# KiCad board JumperlessV5r8.kicad_pcb (continued)
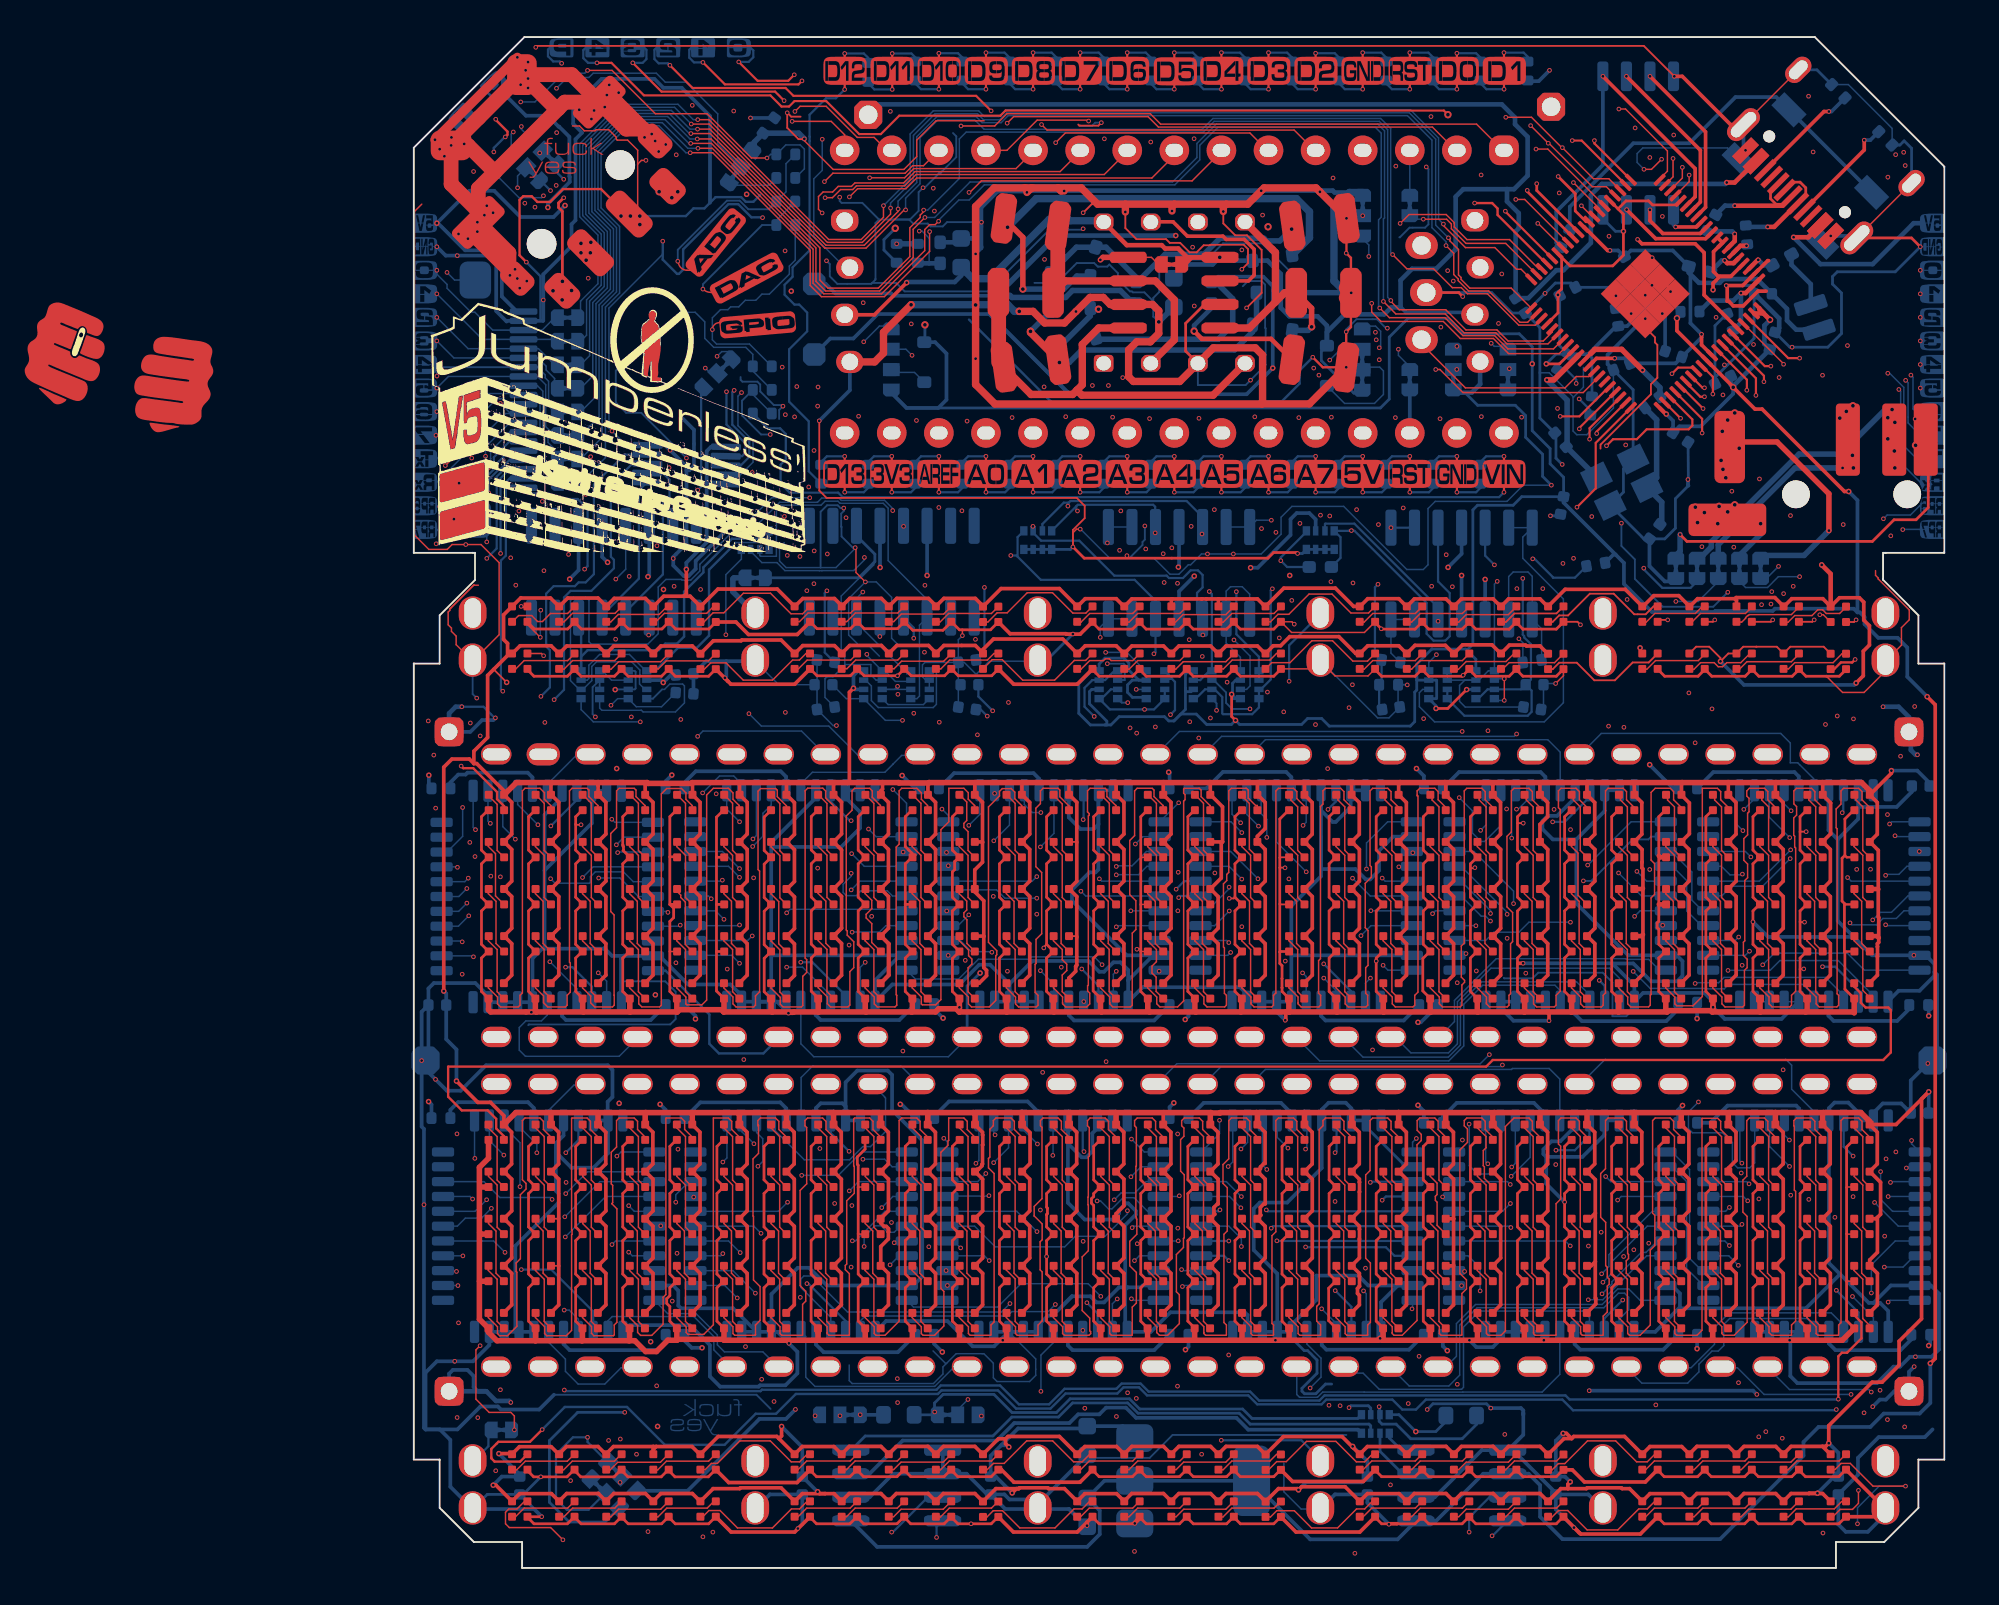
[diagram p0: board, top side]
## Routing (per net, layer and track width the routed paths; a pad name or vN(x,y) marks a point on that pad's centre or on a via; arc(x,y) is an arc through that point) (continued)
(no net):
  vias: v1(21.8,63.68)
1: length 17.8
  In2.Cu w0.4: 4.45,28.58 5.08,29.21 5.08,37.81 4.13,38.75 v1(4.13,40.15) 4.45,40.46 4.45,43.82
  Bottom w0.08: A2.35 4,40.28 v1(4.13,40.15)
2: length 33
  In2.Cu w0.15: 6.99,43.82 6.99,40.36 v1(6.7,40.07) 6.99,39.78 6.99,28.58
  In2.Cu w0.4: 6.99,28.58 6.93,28.63 6.93,43.76 6.99,43.82
  Bottom w0.08: v1(6.7,40.07) 5.6,41.17 A2.37
3: length 18.6
  In2.Cu w0.4: 9.53,43.82 9.53,28.58
  Bottom w0.08: A2.39 7.2,42.26 8.76,43.82 9.53,43.82
4: length 25.9
  In2.Cu w0.4: 12.07,43.82 12.07,28.58
  Bottom w0.08: A2.17 7.2,29.81 6.88,29.5 6.05,29.5 5.69,29.14 5.69,27.92 6.02,27.59 11.08,27.59 12.07,28.58
5: length 37.9
  In1.Cu w0.08: v1(14.14,32.63) 14.08,32.69 v1(7.34,32.69)
  In2.Cu w0.15: 14.61,28.58 14.61,32.16 v1(14.14,32.63) 14.06,32.7 14.06,40.75 14.13,40.82
  In2.Cu w0.4: 14.61,43.82 14.61,41.29 14.13,40.82 14.13,35.02 13.96,34.85 13.96,29.22 14.61,28.58
  Bottom w0.08: A2.15 8.8,31.23 v1(7.34,32.69)
6: length 39.5
  In1.Cu w0.08: v1(16.91,32.29) 10.15,32.29 v1(9.95,32.09)
  In2.Cu w0.15: 17.14,28.58 17.14,32.06 v1(16.91,32.29) 17.14,32.53 17.14,43.82
  In2.Cu w0.4: 17.14,43.82 17.14,28.58
  Bottom w0.08: v1(9.95,32.09) 10.4,31.64 A2.13
7: length 25.1
  In2.Cu w0.4: 19.68,43.82 19.68,28.58
  Bottom w0.13: A2.11 13.58,32.21 15.94,29.84 15.94,28.26 16.46,27.74 18.85,27.74 19.68,28.58
8: length 29
  In2.Cu w0.08: v1(15.58,41.79) 15.63,41.84 15.63,44.52 v1(15.31,44.84)
  In2.Cu w0.4: 22.22,43.82 22.22,28.58
  Bottom w0.08: B1.35 17.68,42.28 17.26,42.7 16.49,42.7 v1(15.58,41.79) ; 22.22,43.82 20.91,45.13 15.6,45.13 v1(15.31,44.84)
9: length 34.1
  In2.Cu w0.08: v1(18.08,46.07) 18.38,45.76 18.38,39.84 18.05,39.51 18.05,39.13 v1(18.28,38.9)
  In2.Cu w0.4: 24.76,43.82 24.76,41.64 25.15,41.26 25.15,28.96 24.76,28.58
  Bottom w0.08: 24.76,43.82 23.97,43.82 22.39,45.4 18.75,45.4 v1(18.08,46.07) ; B1.37 19.28,41.14 18.83,40.69 18.83,39.46 v1(18.28,38.9)
10: length 22.7
  In2.Cu w0.4: 27.31,43.82 27.31,28.58
  Bottom w0.08: B1.39 20.88,42.28 21.5,42.9 25.41,42.9 25.85,43.34 25.85,43.35 26.31,43.82 27.31,43.82
  vias: v1(26.38,27.87)
11: length 28
  In2.Cu w0.4: 29.85,43.82 29.85,40.61 29.51,40.28 29.51,33.77 30.17,33.11 30.17,32.46 v2(30.54,32.08)
  Bottom w0.08: B1.17 20.88,28.26 21.58,27.56 28.83,27.56 29.85,28.58
  Bottom w0.15: 29.85,28.58 29.85,31.38 v2(30.54,32.08)
12: length 46.3
  In1.Cu w0.08: v1(20.11,32.4) 20.24,32.27 29.82,32.27 30.07,32.51 30.62,32.51 30.96,32.17 v1(32.02,32.17)
  In2.Cu w0.15: 32.39,43.82 32.39,32.54 v1(32.02,32.17) 32.39,31.81 32.39,28.58
  In2.Cu w0.4: 32.39,43.82 32.39,28.58
  Bottom w0.08: v1(20.11,32.4) 20.97,32.4 22.48,30.88 B1.15
13: length 28.3
  In1.Cu w0.08: v1(34.92,32.4) 34.76,32.56 30.8,32.56 30.69,32.67 30,32.67 29.78,32.45 24.56,32.45 v1(24.35,32.66)
  In2.Cu w0.4: 34.92,43.82 34.92,28.58
  Bottom w0.08: B1.13 24.08,32.39 v1(24.35,32.66)
14: length 27
  In2.Cu w0.4: 37.47,28.58 37.47,32.19 v1(37.12,32.53) 37.3,32.53 37.3,32.53 37.47,32.69 37.47,43.82
  Bottom w0.08: B1.11 27.05,31.76 29.39,31.76 30.46,32.83 33.15,32.83 33.28,32.95 36.7,32.95 v1(37.12,32.53)
15: length 42.5
  In2.Cu w0.08: v1(56.55,45.11) 56.55,41.69 v1(56.39,41.54)
  In2.Cu w0.4: 40.01,43.82 40.01,32.82 39.54,32.35 39.54,31.82 39.9,31.46 39.9,28.68 40.01,28.58
  Bottom w0.08: v1(56.39,41.54) 57.1,40.83 57.1,39.63 57.56,39.17 57.76,39.17 58.63,40.05 C26.35 ; v1(56.55,45.11) 41.3,45.11 40.01,43.82
16: length 38.4
  In2.Cu w0.08: v1(59.48,44.97) 59.16,44.64 59.16,42.45 59.54,42.06 59.54,40.98 v1(59.48,40.91)
  In2.Cu w0.4: 42.55,43.82 42.55,28.58
  Bottom w0.08: v1(59.48,40.91) 59.56,40.91 60.23,41.59 C26.37 ; 42.55,43.82 43.57,44.84 59.35,44.84 v1(59.48,44.97)
17: length 34.7
  In2.Cu w0.4: 45.09,43.82 45.09,28.58
  Bottom w0.08: C26.39 61.83,43.99 61.16,44.66 45.93,44.66 45.09,43.82
18: length 34.1
  In2.Cu w0.4: 47.62,43.82 47.62,40.65 47.43,40.45 47.43,37.72 47.72,37.43 47.72,37.08 47.43,36.78 47.43,28.77 47.62,28.58
  Bottom w0.08: C26.17 61.83,31.14 61.55,31.42 57.66,31.42 56.63,30.39 56.63,28.15 55.82,27.34 48.86,27.34 47.62,28.58
19: length 32.6
  In2.Cu w0.4: 50.17,43.82 50.17,28.58
  Bottom w0.08: C26.15 63.43,30.89 62.72,31.6 57.58,31.6 56.45,30.47 56.45,28.19 55.8,27.54 51.2,27.54 50.17,28.58
20: length 32.6
  In2.Cu w0.4: 52.7,43.82 52.7,28.58
  Bottom w0.08: C26.13 65.03,31.79 64.49,32.34 58.1,32.34 56.29,30.53 56.29,28.26 55.8,27.77 53.78,27.77 52.98,28.58 52.7,28.58
21: length 30.5
  In2.Cu w0.15: 55.25,43.82 55.58,43.48 55.58,28.91 55.25,28.58
  Bottom w0.08: 55.25,28.58 56.13,29.46 56.13,30.6 58.38,32.85 65.37,32.85 65.41,32.82 66.6,32.82 67.18,32.24 67.53,32.24
22: length 30.7
  In1.Cu w0.08: v1(58.94,40.93) 59.19,41.18 61.71,41.18 61.99,40.9 v1(71.74,40.9)
  In2.Cu w0.08: v1(58.94,40.93) 58.74,40.73 58.43,40.73
  In2.Cu w0.4: 57.79,43.82 57.79,41.38 58.5,40.66 58.5,29.29 57.79,28.58
  Bottom w0.08: 72.3,41.94 72.3,41.47 v1(71.74,40.9)
23: length 45.6
  In1.Cu w0.08: v1(61.5,40.9) 61.84,40.56 74.02,40.56 v1(74.29,40.83)
  In2.Cu w0.08: 60.33,41.08 60.5,40.9 v1(61.5,40.9)
  In2.Cu w0.15: 60.33,43.82 60.33,29.28
  In2.Cu w0.4: 60.33,43.82 60.33,32.6 60.6,32.33 60.6,32.1 60.33,31.83 60.33,28.58
  Bottom w0.08: 73.9,41.94 73.9,41.22 v1(74.29,40.83)
24: length 30.8
  In2.Cu w0.4: 62.87,43.82 62.87,37.85 62.65,37.63 62.65,36.42 62.63,36.39 62.63,35.43 62.81,35.25 62.81,28.63 62.87,28.58
  Bottom w0.08: 62.87,43.82 64.05,45 73.73,45 74.24,44.48 74.24,43.42 74.65,43.42 75.5,42.56 75.5,41.94
25: length 41.6
  In2.Cu w0.15: 65.41,28.58 65.41,31.8 v1(65.77,32.17) 65.41,32.53 65.41,43.82
  In2.Cu w0.4: 65.41,43.82 65.41,28.58
  Bottom w0.08: v1(65.77,32.17) 66.69,31.25 69.63,31.25 69.65,31.22 70.68,31.22 70.92,31.46 74.92,31.46 75.5,30.89 75.5,30.54
26: length 40.6
  In2.Cu w0.08: 67.95,31.35 68.95,31.35 v1(69.11,31.52)
  In2.Cu w0.15: 67.95,43.82 67.95,28.58
  In2.Cu w0.4: 67.95,43.82 67.95,28.58
  Bottom w0.08: 77.1,30.54 77.1,30.89 76.14,31.84 70.67,31.84 70.38,31.56 69.15,31.56 v1(69.11,31.52)
27: length 40.1
  In2.Cu w0.08: v1(70.88,32.22) 70.54,32.22 70.48,32.17
  In2.Cu w0.15: 70.48,43.82 70.48,28.58
  In2.Cu w0.4: 70.48,43.82 70.48,28.58
  Bottom w0.08: 78.7,30.54 78.7,30.89 76.84,32.75 73.68,32.75 73.16,32.23 70.89,32.23 v1(70.88,32.22)
28: length 39.8
  In2.Cu w0.15: 73.03,43.82 73.03,32.79 v1(72.75,32.52) 73.03,32.25 73.03,28.58
  In2.Cu w0.4: 73.03,43.82 73.03,28.58
  Bottom w0.08: v1(72.75,32.52) 73.39,33.15 77.31,33.15 78.23,32.24 81.2,32.24
29: length 56.6
  In1.Cu w0.08: v1(74.27,20.1) 74.11,20.26 55.61,20.26 55.57,20.3 44.91,20.3 v1(44.64,20.02)
  In2.Cu w0.08: 75.56,28.58 74.57,27.58 74.57,20.4 v1(74.27,20.1)
  In2.Cu w0.4: 75.56,43.82 75.56,28.58
  Bottom w0.08: K1.31 43.83,20.83 v1(44.64,20.02)
30: length 68
  In1.Cu w0.08: v1(45.53,37.16) 46.14,36.55 46.94,36.55 47.01,36.49 47.4,36.49 47.46,36.55 70.33,36.55 71.44,37.66 71.91,37.66 72.32,37.24 76.59,37.24 77.12,37.77 77.72,37.77 v1(77.83,37.67)
  In2.Cu w0.08: 78.11,43.82 78.11,43.75
  In2.Cu w0.15: 78.11,28.58 78.19,28.66 78.19,34.73 78.08,34.83 78.08,37.41 v1(77.83,37.67) 78.11,37.95 78.11,43.75
  In2.Cu w0.4: 78.11,43.82 78.11,28.58
  Bottom w0.08: L1.31 44.06,38.63 v1(45.53,37.16)
31: length 33.9
  In2.Cu w0.08: 4.71,22.64 4.86,22.49 v1(4.86,22.26)
  In2.Cu w0.15: 4.45,10.8 4.45,19 4.71,19.27 4.71,26.03 4.45,26.29
  In2.Cu w0.5: 4.45,26.03 4.5,25.98 4.5,20.35 4.87,19.97 4.87,19.2 4.45,18.78 4.45,10.8
  Bottom w0.08: v1(4.86,22.26) 4.08,23.04 E1.35
32: length 32.9
  In2.Cu w0.15: 6.99,26.03 6.99,22.73 v1(6.64,22.39) 6.99,22.04 6.99,10.8
  In2.Cu w0.5: 6.99,26.03 6.99,10.8
  Bottom w0.08: v1(6.64,22.39) 6.64,22.84 5.68,23.8 E1.37
33: length 18.6
  In2.Cu w0.5: 9.53,10.8 9.49,10.83 9.49,26 9.53,26.03
  Bottom w0.08: E1.39 7.28,24.67 8.64,26.03 9.53,26.03
34: length 22.3
  In2.Cu w0.5: 12.07,26.03 12.07,10.8
  Bottom w0.08: 12.07,10.8 11.18,10.8 10.3,9.91 8.86,9.91 8.18,10.6 8.18,11.26 7.28,12.16 E1.17
35: length 38.7
  In1.Cu w0.08: v1(8.11,13.9) 8.55,14.34 13.89,14.34 v1(13.94,14.39)
  In2.Cu w0.08: 14.61,14.39 v1(13.94,14.39)
  In2.Cu w0.13: v1(14.2,16.97) 14.48,16.97 14.61,17.09 ; 14.61,22.68 14.35,22.68 v1(14.25,22.58) ; 14.61,11.91 14.48,11.79
  In2.Cu w0.15: 14.61,11.91 14.61,26.03
  In2.Cu w0.5: 14.61,26.03 14.61,10.8
  Bottom w0.08: v1(8.11,13.9) 8.38,13.9 8.88,13.41 E1.15
36: length 24.3
  In2.Cu w0.5: 17.14,10.8 16.97,10.97 16.97,14.99 17.14,15.16 17.14,26.03
  Bottom w0.08: 17.14,10.8 16.18,11.75 16.18,12.47 15.1,13.56 10.7,13.56 10.48,13.33 E1.13
37: length 23.8
  In2.Cu w0.5: 19.68,26.03 19.68,10.8
  Bottom w0.08: E1.11 13.69,13.72 15.22,13.72 16.37,12.56 16.37,12.03 16.75,11.65 18.83,11.65 19.68,10.8
38: length 36
  In1.Cu w0.08: v1(21.9,22.62) 18.6,22.62 v1(18.35,22.87)
  In2.Cu w0.08: 22.22,22.64 21.93,22.64 v1(21.9,22.62)
  In2.Cu w0.15: 22.22,10.8 22.22,26.03
  In2.Cu w0.5: 22.22,26.03 22.22,10.8
  Bottom w0.08: F5.35 17.69,23.53 v1(18.35,22.87)
39: length 25.9
  In2.Cu w0.5: 24.76,26.03 24.76,10.8
  Bottom w0.08: 24.76,26.03 25.39,25.41 25.39,25.39 25.44,25.33 25.44,23.53 24.63,22.72 24.22,22.72 23.51,22.01 21.06,22.01 19.29,23.78 F5.37
40: length 24.6
  In2.Cu w0.5: 27.31,10.8 27.31,26.03
  Bottom w0.08: F5.39 20.89,26.45 21.51,27.06 26.28,27.06 27.31,26.03
41: length 27.6
  In2.Cu w0.5: 29.85,26.03 29.85,17.58 30,17.43 30,10.95 29.85,10.8
  Bottom w0.08: J4.41 29.16,10.85 28.09,9.79 21.64,9.79 21.14,10.29 21.14,12.48 F5.17 ; 29.53,10.8 29.85,10.8
42: length 31.7
  In2.Cu w0.08: v1(32.16,14.26) 32.36,14.26 32.39,14.28
  In2.Cu w0.5: 32.39,10.8 32.39,26.03
  Bottom w0.08: 22.49,12.38 F5.15 22.49,13.51 20.87,15.13 20.87,15.57 21.04,15.74 21.45,15.74 23.39,13.8 31.7,13.8 v1(32.16,14.26)
43: length 42.2
  In2.Cu w0.15: 34.92,10.8 34.92,13.89 v1(34.6,14.21) 34.92,14.53 34.92,26.03
  In2.Cu w0.5: 34.92,26.03 34.92,10.8
  Bottom w0.08: F5.13 24.09,13.33 24.34,13.58 32.02,13.58 32.26,13.82 34.22,13.82 v1(34.6,14.21)
44: length 42.5
  In2.Cu w0.08: 37.47,14.56 37.39,14.64 v1(37.05,14.64)
  In2.Cu w0.15: 37.47,10.8 37.47,26.03
  In2.Cu w0.5: 37.47,10.8 37.47,19.49 37.3,19.65 37.3,20.05 37.47,20.21 37.47,26.03
  Bottom w0.08: v1(37.05,14.64) 36.37,15.32 32.75,15.32 31.49,14.07 26.96,14.07 F5.11
45: length 45.2
  In2.Cu w0.08: v1(56.92,23.93) 56.77,24.09 56.77,26.78 57.67,27.68 v1(58.01,27.68)
  In2.Cu w0.5: 40.01,26.03 40.01,10.8
  Bottom w0.08: v1(56.92,23.93) 56.92,23.76 56.93,23.76 56.93,21.69 57.38,21.24 58.17,21.24 58.61,21.69 G1.35 ; v1(58.01,27.68) 57.52,27.19 41.16,27.19 40.01,26.03
46: length 41.5
  In2.Cu w0.08: v1(59.19,21.12) 59.15,21.12 58.81,21.45 58.81,27.03 v1(58.72,27.12)
  In2.Cu w0.5: 42.55,26.03 42.55,10.8
  Bottom w0.08: v1(58.72,27.12) 58.63,27.03 43.54,27.03 42.55,26.03 ; v1(59.19,21.12) 60.21,22.14 G1.37
47: length 34.8
  In2.Cu w0.5: 45.09,26.03 45.09,26.03 45.09,10.8 45.09,10.8
  Bottom w0.08: 45.09,26.03 45.93,26.88 59.21,26.88 59.26,26.93 61.24,26.93 61.81,26.36 G1.39
48: length 33.7
  In2.Cu w0.5: 47.62,26.03 47.62,10.8
  Bottom w0.08: 47.62,10.8 47.62,9.35 47.77,9.2 48.74,9.2 49.02,9.48 51.26,9.48 51.26,9.48 56.58,9.48 56.58,9.48 60.86,9.48 61.81,10.43 G1.17
49: length 33.6
  In2.Cu w0.5: 50.17,26.03 50.2,26 50.2,10.83 50.17,10.8
  Bottom w0.08: 50.17,10.8 50.46,10.5 51.2,10.5 52.07,9.63 56.52,9.63 56.62,9.74 56.62,12.99 57.48,13.85 63.07,13.85 63.41,13.51 G1.15
50: length 34.3
  In2.Cu w0.5: 52.7,26.03 52.7,10.8
  Bottom w0.08: G1.13 65.01,13.41 65.53,13.92 65.53,14.59 65.3,14.82 64.97,14.82 64.19,14.03 57.35,14.03 56.41,13.09 56.41,10.4 55.83,9.81 53.69,9.81 52.7,10.8
51: length 30.8
  In2.Cu w0.5: 55.25,26.03 54.89,25.68 54.89,11.15 55.25,10.8
  Bottom w0.08: G1.11 66.14,14.43 65.53,15.04 64.94,15.04 64.1,14.21 57.27,14.21 56.24,13.17 56.24,11.41 55.62,10.8 55.25,10.8
52: length 36.7
  In1.Cu w0.08: v1(69.29,25.13) 69.19,25.23 58.59,25.23 57.79,26.03
  In2.Cu w0.5: 57.79,10.8 57.79,13.16 58.04,13.41 58.04,15.85 57.47,16.42 57.47,25.72 57.79,26.03
  Bottom w0.08: H1.35 72.32,21.84 72.06,21.57 71.4,21.57 71.12,21.85 71.12,22.93 70.59,23.46 68.97,23.46 68.75,23.68 68.75,24.59 v1(69.29,25.13)
53: length 34.3
  In1.Cu w0.08: v1(73.86,26.86) 61.15,26.86 60.33,26.03
  In2.Cu w0.08: v1(74.2,23.07) 74.3,23.18 74.3,26.41 v1(73.86,26.86)
  In2.Cu w0.5: 60.33,26.03 60.33,10.8
  Bottom w0.08: v1(74.2,23.07) 73.92,23.34 H1.37
54: length 31.1
  In2.Cu w0.5: 62.87,10.8 62.59,11.07 62.59,14.48 62.87,14.76 62.87,26.03
  Bottom w0.08: H1.39 75.52,24.61 74.32,25.81 74.32,27.11 74.01,27.42 64.25,27.42 62.87,26.03
55: length 29.4
  In2.Cu w0.5: 65.41,10.8 65.41,12.98 65.79,13.37 65.79,15.49 64.78,16.5 64.78,17.42 65.41,18.05 65.41,26.03
  Bottom w0.08: 65.41,10.8 66.24,9.96 68.71,9.96 69.32,10.57 69.32,10.99 70.02,11.69 70.36,11.69 70.66,11.99 70.66,13.13 70.97,13.45 75.15,13.45 75.52,13.08 H1.17
56: length 26.8
  In2.Cu w0.5: 67.95,26.03 67.95,10.8
  Bottom w0.08: H1.15 77.12,13.08 76.45,13.75 70.95,13.75 70.15,12.96 70.15,12.06 68.89,10.8 67.95,10.8
57: length 31
  In2.Cu w0.08: v1(77.6,14.64) 77.6,12.1 77.01,11.51 77.01,10.04 77.52,9.53 v1(77.52,9.35)
  In2.Cu w0.5: 70.48,26.03 70.48,10.8
  Bottom w0.08: v1(77.6,14.64) 78.72,13.51 H1.13 ; 70.48,10.8 71.39,10.8 72.83,9.35 v1(77.52,9.35)
58: length 28.3
  In2.Cu w0.08: v1(79.52,14.34) 79.52,13.39 79.17,13.04 79.17,10.5 78.61,9.94 v1(78.61,9.48)
  In2.Cu w0.5: 73.03,26.03 73.03,10.8
  Bottom w0.08: 73.03,10.8 74.2,9.62 78.48,9.62 v1(78.61,9.48) ; H1.11 79.61,14.43 v1(79.52,14.34)
59: length 64.3
  In1.Cu w0.08: v1(44.61,19.42) 45.72,19.42 45.87,19.57 46.09,19.57 46.47,19.19 71.43,19.19 71.79,19.55 74.92,19.55 v1(75.24,19.87)
  In2.Cu w0.15: 75.56,26.03 75.56,20.19 v1(75.24,19.87) 75.56,19.55 75.56,10.8
  In2.Cu w0.5: 75.56,10.8 75.56,26.03
  Bottom w0.08: v1(44.61,19.42) 44,20.03 K1.30
60: length 65.5
  In1.Cu w0.08: v1(78.57,37.68) 78.31,37.93 77.02,37.93 76.62,37.53 72.25,37.53 71.97,37.81 71.37,37.81 70.27,36.71 47.46,36.71 47.46,36.71 46.45,36.71 45.69,37.47 44.98,37.47 v1(44.66,37.14)
  In2.Cu w0.08: 78.11,26.03 79.05,26.98 79.05,34.14 78.42,34.77 78.42,37.53 v1(78.57,37.68)
  In2.Cu w0.5: 78.11,26.03 78.31,25.83 78.31,19.56 78.11,19.35 78.11,10.8
  Bottom w0.08: v1(44.66,37.14) 43.97,37.83 L1.30
/AB0: length 19.2
  In1.Cu w0.08: v1(17.57,37.71) 17.43,37.85 3.59,37.85 v1(2.94,37.2)
  Bottom w0.08: v1(2.94,37.2) 2.75,37.01 A2.29 ; B1.31 16.65,38.63 v1(17.57,37.71)
/AB1: length 19.5
  In1.Cu w0.08: v1(2.86,36.64) 3.91,37.69 17.12,37.69 v1(17.57,37.24)
  Bottom w0.08: A2.28 2.43,36.21 v1(2.86,36.64) ; B1.30 16.98,37.83 v1(17.57,37.24)
/AC0: length 62.8
  In1.Cu w0.08: v1(59.32,35.82) 59.28,35.86 16.46,35.86 16.4,35.8 2.91,35.8 v1(2.86,35.85)
  Bottom w0.08: v1(59.32,35.82) 59.32,36.49 57.17,38.64 C26.31 ; v1(2.86,35.85) 2.42,35.41 A2.27
/AC1: length 62.1
  In1.Cu w0.08: v1(58.97,35.25) 58.52,35.7 16.53,35.7 16.47,35.64 3.45,35.64 v1(2.97,35.16)
  Bottom w0.08: A2.26 2.41,34.61 v1(2.97,35.16) ; v1(58.97,35.25) 58.97,35.35 56.48,37.84 C26.30
/AD0: length 65.8
  In1.Cu w0.08: v1(72.12,38.34) 72.03,38.42 54.69,38.42 54.42,38.15 11.42,38.15 v1(11,38.57)
  Bottom w0.08: A2.3 11.03,38.61 v1(11,38.57) ; 69.8,38.64 71.82,38.64 v1(72.12,38.34)
/AD1: length 69.8
  In1.Cu w0.08: v1(71.66,37.41) 71.57,37.41 70.55,36.39 47.52,36.39 47.46,36.34 46.94,36.34 46.88,36.39 42.85,36.39 42.39,36.85 37.3,36.85 37.19,36.73 36.8,36.73 36.69,36.85 19.1,36.85 18.9,36.65 9.68,36.65 v1(9.1,37.23)
  Bottom w0.08: A2.4 9.68,37.81 v1(9.1,37.23) ; 69.8,37.84 70.53,37.84 70.99,37.37 71.62,37.37 v1(71.66,37.41)
/AE0: length 30.4
  In2.Cu w0.08: v1(7.46,19.87) 7.46,22.48 8.04,23.06 8.04,30.92 7.6,31.36 7.6,36.94 v1(7.38,37.17)
  Bottom w0.08: v1(7.46,19.87) 7.36,19.98 4.64,19.98 3.79,20.83 E1.31 ; v1(7.38,37.17) 7.62,36.92 9.48,36.92 9.53,36.96 9.53,37.27 9.79,37.53 11.31,37.53 11.84,37.01 A2.5
/AF0: length 18.4
  In2.Cu w0.08: v1(14.13,19.72) 13.96,19.89 13.96,25.29 13.64,25.61 13.64,35.28 v1(13.71,35.35)
  Bottom w0.08: v1(14.13,19.72) 14.13,20.12 14.84,20.83 F5.31 ; v1(13.71,35.35) 13.65,35.41 A2.7
/AF1: length 16.9
  In2.Cu w0.08: v1(15.1,20) 15.68,20.58 15.68,33.35 v1(14.37,34.66)
  Bottom w0.08: v1(14.37,34.66) 14.32,34.61 A2.8
/AG0: length 100.2
  In1.Cu w0.08: v1(58.85,7.2) 58.71,7.06 51.42,7.06 51.13,7.35 19.4,7.35 19.38,7.36 17.27,7.36 17.26,7.35 11.4,7.35 11,7.74 3.81,7.74 v1(3.45,8.1)
  In2.Cu w0.08: v1(2.61,33.76) 2.72,33.65 2.72,32.3 2.97,32.05 2.97,23.59 2.92,23.54 2.92,10.86 3.73,10.04 3.73,8.39 v1(3.45,8.1) ; v1(59.14,20.68) 58.81,20.35 58.81,11.99 59.04,11.76 59.04,9.29 59.06,9.27 58.81,9.02 58.81,7.23 v1(58.85,7.2)
  Bottom w0.08: v1(2.61,33.76) 2.57,33.81 A2.25 ; v1(59.14,20.68) 58.99,20.83 G1.31
/AH0: length 115.7
  In1.Cu w0.08: v1(10.51,6.87) 10.83,7.2 17.32,7.2 17.33,7.21 19.32,7.21 19.33,7.2 51.05,7.2 51.38,6.87 62.74,6.87 63.27,7.4 72.87,7.4 v1(72.92,7.35)
  In2.Cu w0.08: v1(10.51,6.87) 10.87,7.24 10.87,14.43 10.12,15.18 10.12,24.97 10.64,25.49 10.64,29.34 10.55,29.44 10.55,40.24 v1(10.68,40.37) ; v1(72.02,20.71) 72.21,20.52 72.21,12.75 71.95,12.49 71.95,8.32 v1(72.92,7.35)
  Bottom w0.08: H1.31 71.9,20.83 v1(72.02,20.71) ; A2.1 10.85,40.21 v1(10.68,40.37)
/AH1: length 112.2
  In1.Cu w0.08: v1(72.54,7.07) 72.44,7.17 63.5,7.17 62.97,6.64 51.29,6.64 50.93,6.99 44.97,6.99 44.46,6.48 43.23,6.48 42.67,7.04 19.27,7.04 19.26,7.05 17.4,7.05 17.29,6.95 v1(11.14,6.95)
  In2.Cu w0.08: v1(11.14,6.95) 11.03,7.07 11.03,18.04 10.67,18.39 10.67,25.31 10.8,25.43 10.8,29.41 10.7,29.5 10.7,38.77 v1(10.93,38.99) ; v1(72.54,7.07) 71.81,7.81 71.81,8.25 71.8,8.26 71.8,12.56 71.89,12.65 71.89,19.74 v1(71.95,19.8)
  Bottom w0.08: v1(71.95,19.8) 71.71,20.03 H1.30 ; A2.2 11.34,39.41 v1(10.93,38.99)
/BC0: length 46.5
  In1.Cu w0.08: v1(16.73,34.97) 24.48,34.97 24.55,34.9 29.99,34.9 30.09,34.99 38.19,34.99 38.79,34.4 43.92,34.4 44.51,34.99 56.11,34.99 56.41,35.29 v1(58.08,35.29)
  Bottom w0.08: B1.27 16.27,35.43 v1(16.73,34.97) ; v1(58.08,35.29) 58.08,35.44 56.48,37.04 56.13,37.04
/BC1: length 46.1
  In1.Cu w0.08: v1(58.07,34.88) 57.98,34.97 56.32,34.97 56.18,34.83 44.57,34.83 43.95,34.21 38.75,34.21 38.13,34.83 30.15,34.83 30.04,34.72 17.62,34.72 v1(17.57,34.67)
  Bottom w0.08: 56.13,36.24 56.48,36.24 57.57,35.15 57.81,35.15 v1(58.07,34.88) ; v1(17.57,34.67) 17.53,34.63 B1.26
/BD0: length 53.6
  In1.Cu w0.08: v1(26.39,38.6) 28.22,38.6 28.47,38.85 28.95,38.85 29.27,38.53 53.41,38.53 53.72,38.84 74.14,38.84 v1(74.26,38.72)
  Bottom w0.08: 69.8,37.04 72.58,37.04 v1(74.26,38.72) ; v1(26.39,38.6) 26.43,38.63 B1.3
/BD1: length 59.5
  In1.Cu w0.08: v1(23.62,38.52) 23.82,38.31 54.12,38.31 54.41,38.6 73.88,38.6 v1(74.24,38.25)
  Bottom w0.08: 69.8,36.24 70.54,36.24 71.07,36.76 72.75,36.76 v1(74.24,38.25) ; B1.4 24.3,37.83 v1(23.62,38.52)
/BE0: length 43.7
  In1.Cu w0.08: v1(23.59,36.56) 23.51,36.49 4.97,36.49 v1(4.16,37.3)
  In2.Cu w0.08: v1(3.93,19.85) 3.93,20 3.71,20.22 3.71,22.84 3.3,23.25 3.3,29.19 4.16,30.04 v1(4.16,37.3)
  Bottom w0.08: B1.5 24.06,37.03 v1(23.59,36.56) ; E1.29 3.3,19.23 v1(3.93,19.85)
/BE1: length 46.1
  In1.Cu w0.08: v1(4.67,37.26) 4.93,37.53 16.65,37.53 17.21,36.97 17.68,36.97 18.18,37.48 23.57,37.48 v1(23.59,37.46)
  In2.Cu w0.08: v1(4.67,37.26) 4.67,30.34 3.45,29.13 3.45,23.46 3.94,22.97 3.94,20.21 4.18,19.96 v1(4.18,19.39)
  Bottom w0.08: v1(4.18,19.39) 3.65,18.86 2.78,18.86 2.35,18.43 E1.28 ; B1.6 25.82,36.23 25.54,36.51 24.12,36.51 23.86,36.25 23.33,36.25 23.16,36.43 23.16,36.87 23.59,37.3 v1(23.59,37.46)
/BF0: length 28.1
  In2.Cu w0.08: v1(20.16,19.72) 20.16,21.13 21.01,21.98 21.01,32.06 20.54,32.53 20.54,34.89 v1(20.11,35.32)
  Bottom w0.08: F5.29 19.67,19.23 v1(20.16,19.72) ; B1.7 26.5,35.52 20.3,35.52 v1(20.11,35.32)
/BG0: length 62.7
  In1.Cu w0.08: v1(18.25,34.08) 18.99,33.34 30.52,33.34 30.93,32.94 43.27,32.94 43.81,33.47 58.49,33.47 v1(58.97,33.95)
  In2.Cu w0.08: v1(59.15,19.65) 59.45,19.96 59.45,21.2 59.29,21.36 59.13,21.36 58.97,21.52 v1(58.97,33.95)
  Bottom w0.08: v1(59.15,19.65) 58.73,19.23 G1.29 ; B1.25 18.01,33.83 v1(18.25,34.08)
/BG1: length 63.7
  In1.Cu w0.08: v1(17.57,32.6) 18.53,31.64 40.28,31.64 40.71,32.07 47.47,32.07 47.75,32.35 48.25,32.35 48.53,32.07 51.88,32.07 52.04,31.92 56.56,31.92 56.66,31.82 57.55,31.82 57.8,32.07 v1(59.98,32.07)
  In2.Cu w0.08: v1(59.98,32.07) 59.98,30.94 59.28,30.25 59.28,24.98 59.91,24.35 59.91,19.78 59.17,19.04 v1(59.17,18.36)
  Bottom w0.08: v1(59.17,18.36) 59.1,18.43 G1.28 ; B1.24 17.14,33.03 v1(17.57,32.6)
/BH0: length 91.2
  In1.Cu w0.08: v1(71.45,9.99) 71.35,9.89 57.05,9.89 56.9,10.04 56.52,10.04 56.39,10.17 26.12,10.17 v1(26.08,10.21)
  In2.Cu w0.08: v1(26.08,10.21) 25.93,10.35 25.93,16.64 25.14,17.44 25.14,18.99 25.31,19.16 25.35,19.16 25.79,19.61 25.79,41.1 25.79,41.11 25.79,41.92 v1(25.84,41.98) ; v1(71.45,9.99) 71.63,10.17 71.63,12.61 71.71,12.69 71.71,17.54 70.96,18.29 v1(70.96,19.44)
  Bottom w0.08: H1.29 70.75,19.23 v1(70.96,19.44) ; B1.1 26.58,41.24 v1(25.84,41.98)
/CD0: length 4.5
  Bottom w0.08: 69.8,35.44 69.51,35.44 68.94,36.01 68.94,37.52 67.82,38.64 C26.3
/CD1: length 4.5
  Bottom w0.08: 69.8,34.64 69.45,34.64 68.66,35.43 68.66,37.06 67.88,37.84 C26.4
/CE0: length 88.8
  In1.Cu w0.08: v1(66.61,17.51) 65.63,16.53 57.44,16.53 57.39,16.59 44.35,16.59 44.07,16.31 42.68,16.31 42.4,16.59 39.38,16.59 39.12,16.32 29.23,16.32 29.06,16.48 26.48,16.48 26.08,16.08 24.11,16.08 23.7,16.49 5.45,16.49 v1(4.92,17.02)
  In2.Cu w0.08: v1(65.97,37.56) 65.94,37.53 65.94,35.59 66.54,34.99 66.54,26.92 66.54,26.91 66.54,25.46 66.54,25.46 66.54,18.19 66.57,18.16 66.57,17.54 v1(66.61,17.51)
  Bottom w0.08: v1(4.92,17.02) 4.31,17.63 E1.27 ; 67.53,37.04 66.49,37.04 v1(65.97,37.56)
/CF0: length 71.4
  In1.Cu w0.08: v1(17.61,17) 29.62,17 29.64,17.02 32.86,17.02 33.07,17.23 35.71,17.23 35.91,17.02 46.92,17.02 46.96,17.06 65.71,17.06 v1(65.8,17.16)
  In2.Cu w0.08: v1(65.8,17.16) 65.97,17.32 65.97,18.27 66.37,18.67 66.37,34.48 65.85,35.01 v1(65.85,35.14)
  Bottom w0.08: F5.27 16.98,17.63 v1(17.61,17) ; C26.7 66.14,35.44 v1(65.85,35.14)
/CF1: length 70.2
  In1.Cu w0.08: v1(16.67,16.95) 16.88,16.74 29.58,16.74 29.69,16.85 32.91,16.85 33.13,17.07 35.64,17.07 35.86,16.85 46.98,16.85 47.03,16.9 65.15,16.9 v1(65.25,16.79)
  In2.Cu w0.08: v1(67.36,34.65) 67.36,34.42 66.7,33.76 66.7,26.85 66.69,26.85 66.69,25.52 66.7,25.52 66.7,18.26 66.91,18.04 66.91,17.39 66.31,16.79 v1(65.25,16.79)
  Bottom w0.08: C26.8 67.52,34.65 v1(67.36,34.65) ; F5.26 16.55,16.83 v1(16.67,16.95)
/CG0: length 30.9
  In2.Cu w0.08: v1(62.39,34.82) 61.85,34.28 61.85,24.87 62.37,24.35 v1(62.37,17.37)
  Bottom w0.08: v1(62.39,34.82) 60.14,34.82 59.61,34.28 58.26,34.28 57.81,33.84 C26.25 ; v1(62.37,17.37) 62.11,17.63 G1.27
/CH0: length 33.9
  In1.Cu w0.08: v1(70.96,17.38) 70.57,17.78 67,17.78 66.66,18.11 64.05,18.11 v1(64.04,18.1)
  In2.Cu w0.08: v1(63.31,37.9) 63.34,37.87 63.34,31.94 63.99,31.28 63.99,21.45 63.83,21.28 63.83,18.32 v1(64.04,18.1)
  Bottom w0.08: v1(70.96,17.38) 70.71,17.63 H1.27 ; 67.53,40.24 65.66,40.24 63.33,37.9 v1(63.31,37.9)
/CH1: length 36.4
  In1.Cu w0.08: v1(71.44,16.32) 70.88,16.88 67.67,16.88 66.71,17.84 63.84,17.84 v1(63.36,17.36)
  In2.Cu w0.08: v1(63.08,37.05) 63.18,36.95 63.18,31.87 63.83,31.22 63.83,25.75 63.36,25.28 v1(63.36,17.36)
  Bottom w0.08: H1.26 70.93,16.83 v1(71.44,16.32)
  Bottom w0.1: v1(63.08,37.05) 63.51,37.05 65.74,39.29 66.59,39.29 66.74,39.44 C26.2
/DE0: length 96.8
  In1.Cu w0.08: v1(76.65,18.91) 76.62,18.88 38.7,18.88 38.66,18.84 38.32,18.84 38.28,18.88 25.48,18.88 25.4,18.81 8.28,18.81 v1(8.15,18.93)
  In2.Cu w0.08: v1(77.33,37.23) 76.96,36.86 76.96,30.03 76.73,29.79 76.73,18.98 v1(76.65,18.91)
  Bottom w0.08: v1(8.15,18.93) 10.04,20.83 E1.3 ; v1(77.33,37.23) 77.53,37.04 81.2,37.04
/DE1: length 98.2
  In1.Cu w0.08: v1(79.33,17.89) 79.2,18.02 73.08,18.02 72.77,17.71 71.31,17.71 71,18.02 67.12,18.02 66.77,18.37 63.83,18.37 63.34,17.89 33.38,17.89 33.34,17.93 18.99,17.93 18.84,17.78 8.24,17.78 v1(8.17,17.85)
  In2.Cu w0.08: v1(79.33,17.89) 79.26,17.97 79.26,21.04 79.41,21.19 79.41,21.55 79.14,21.82 79.14,26.84 79.21,26.91 79.21,34.42 v1(78.69,34.94)
  Bottom w0.08: v1(78.69,34.94) 79.1,35.35 79.7,35.35 80.58,36.24 81.2,36.24 ; E1.4 10.35,20.03 v1(8.17,17.85)
/DF0: length 77.1
  In1.Cu w0.08: v1(77.63,20.02) 77.24,20.41 58.9,20.41 58.86,20.46 23.61,20.46 v1(23.49,20.33)
  In2.Cu w0.08: v1(77.46,34.78) 77.46,30.3 76.88,29.72 76.88,20.77 v1(77.63,20.02)
  Bottom w0.08: v1(23.49,20.33) 23.99,20.83 F5.3 ; v1(77.46,34.78) 77.57,34.68 78.89,34.68 79.24,35.02 79.96,35.02 80.37,35.44 81.2,35.44
/DG0: length 25.6
  In1.Cu w0.08: v1(71.6,21.3) 64.47,21.3 v1(64.28,21.11)
  In2.Cu w0.08: v1(71.6,21.3) 71.99,21.69 71.99,22.13 71.57,22.55 71.57,32.21 71.4,32.39 71.4,33.96 v1(71.46,34.02)
  Bottom w0.08: v1(64.28,21.11) 64.56,20.83 G1.3 ; v1(71.46,34.02) 71.28,33.84 69.8,33.84
/DG1: length 26.5
  In1.Cu w0.08: v1(72.55,19.9) 72.35,20.1 65.19,20.1 v1(64.93,19.84)
  In2.Cu w0.08: v1(72.55,19.9) 72.55,22.19 71.89,22.85 71.89,33.11 v1(72.04,33.26)
  Bottom w0.08: 69.8,33.04 71.82,33.04 v1(72.04,33.26) ; G1.4 65.12,20.03 v1(64.93,19.84)
/DH0: length 22.9
  In2.Cu w0.08: v1(79.65,20.79) 79.67,20.81 79.67,33.24 79.82,33.39 79.82,37.4 79.38,37.84 79.38,39.9 v1(79.6,40.12)
  Bottom w0.08: 81.2,40.24 79.72,40.24 v1(79.6,40.12) ; H1.3 79.69,20.83 v1(79.65,20.79)
/EF0: length 19
  In1.Cu w0.08: v1(23.66,17.64) 23.56,17.54 10.79,17.54 v1(10.69,17.44)